# Altium PCB ysulyw.PcbDoc
Units mil, origin at the board's own origin, x right, y up, seen from the top; angles counter-clockwise.
Board outline 5500 x 3755 mil, 2 copper layers (Top Layer, Bottom Layer); 62 components, 62 nets, 630 pads, 0 vias.
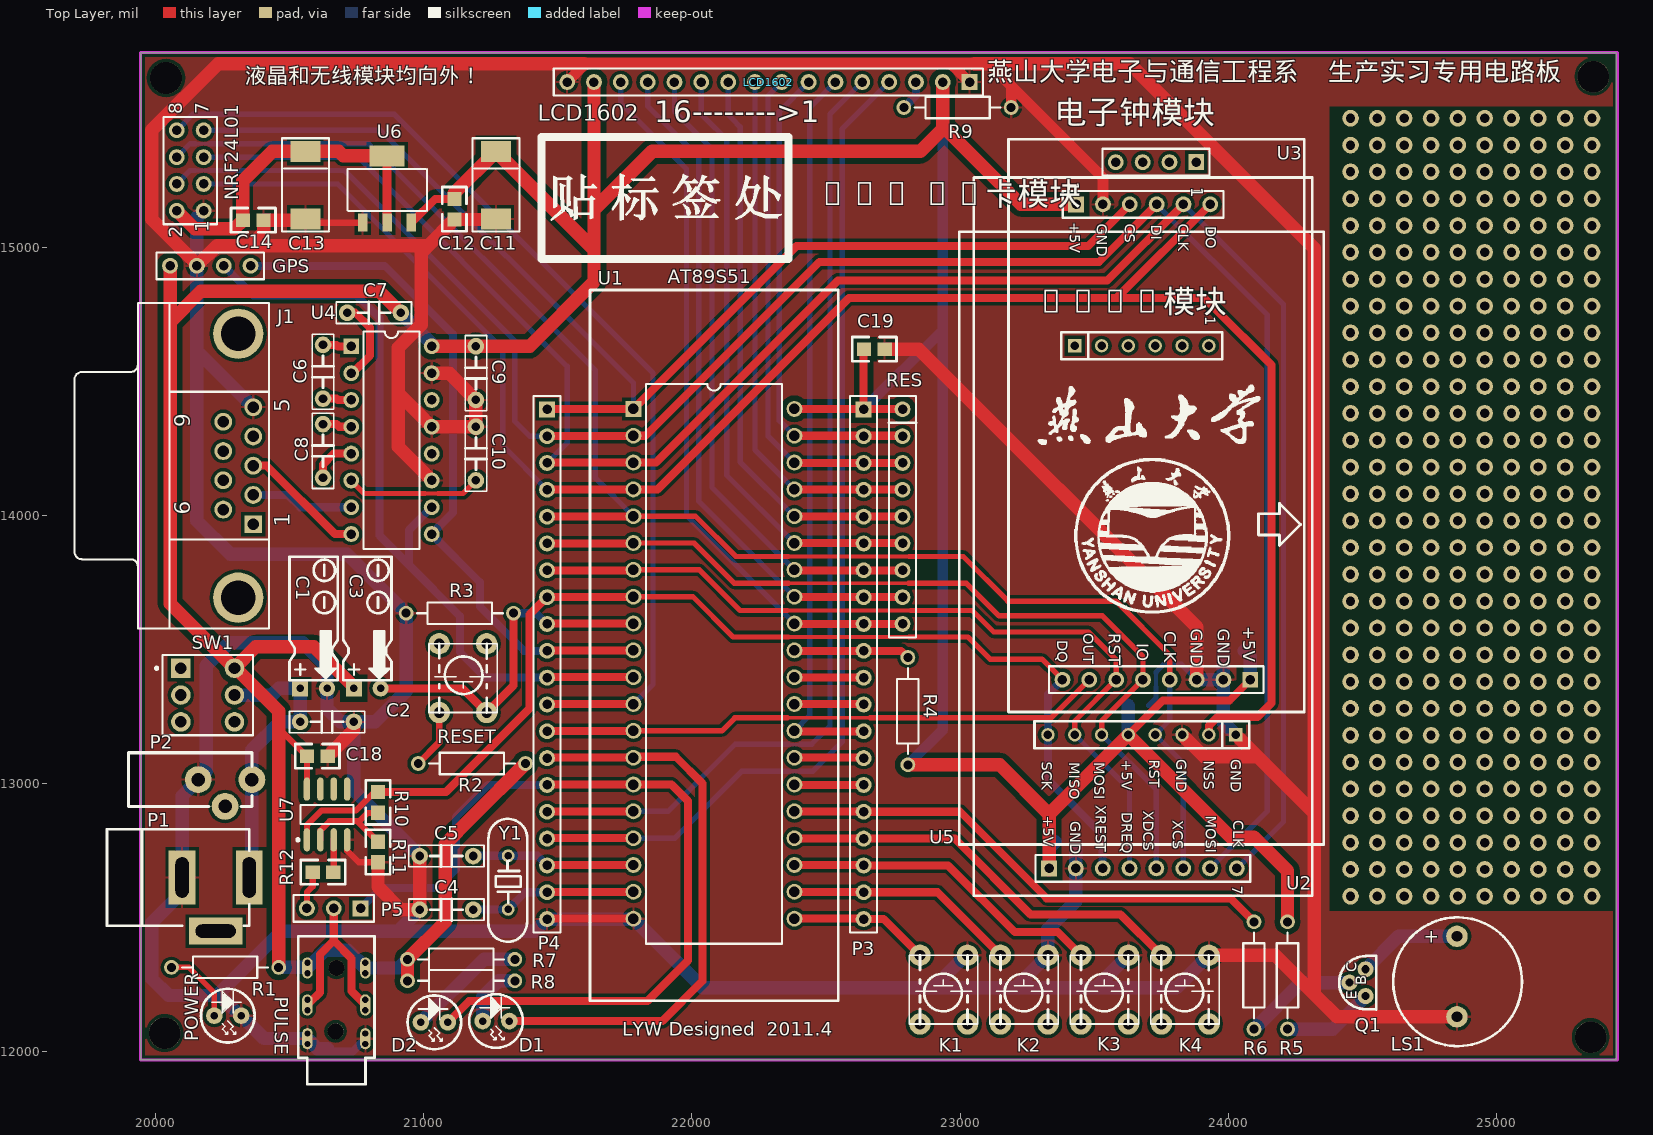
[diagram p0: Top Layer view]
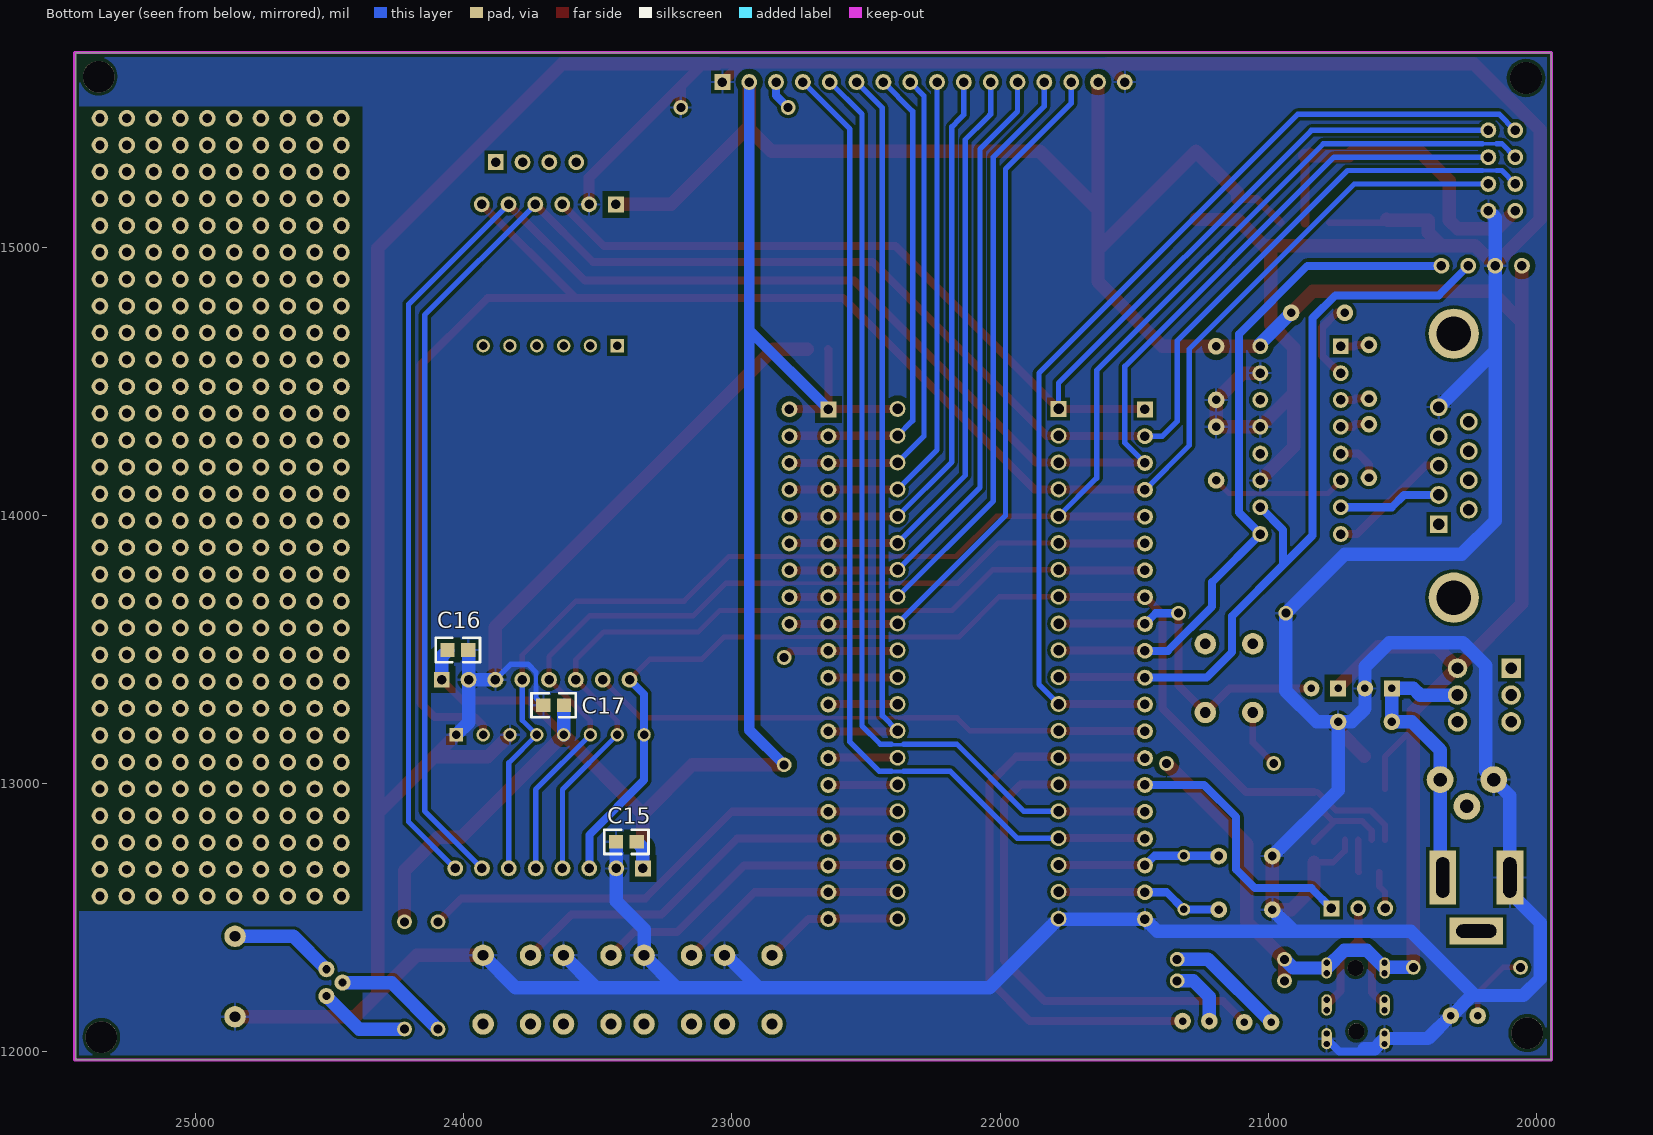
[diagram p1: Bottom Layer view, seen from below]

## Layer stack, top to bottom
Top Layer: signal copper 1.4
Dielectric: dielectric 12.6, FR-4, Dk 4.8
Bottom Layer: signal copper 1.4

## Board outline
19945,15725 19945,11970 25445,11970 25445,15725

## Design rules (kind name [scope] priority, off if disabled: settings)
Clearance Clearance_VCC_GND [InNet('GND') vs InNet('VCC')] p1: gap=20
Clearance [All] p2: gap=12
ComponentClearance [All] p1: gap=0 collisioncheckmode=3 verticalgap=0 showdistances=FALSE
HoleSize [All] p1: absolutevalues=TRUE maxlimit=10000 minlimit=0 maxpercent=80.000 minpercent=20.000
MinimumSolderMaskSliver [All] p1: minsoldermaskwidth=1
PolygonConnect [All] p1: connectstyle=Relief reliefconductorwidth=10 reliefentries=4 polygonreliefangle="90 Angle"
RoutingVias [All] p1: holewidth=15 width=25 viastyle="Through Hole" minholewidth=15 minwidth=25 maxholewidth=20 maxwidth=30
SilkToSilkClearance [All] p1: silktosilkclearance=0
SilkscreenOverComponentPads [All] p1: minsilkscreentomaskgap=0
SolderMaskExpansion [All] p1: expansion=4
TestPointUsage [All] p1: valid=0 allowmultiple=FALSE
Testpoint [All] p1: side=15 testpointundercomponent=TRUE minsize=40 maxsize=100 preferedsize=60 minholesize=0 maxholesize=40 preferedholesize=32 testpointgrid=1 style=1023 order=0-112345678
Width [All] p1: maxlimit=50 minlimit=14 preferedwidth=30
19 further rules are at their usual default settings.

## Components (designator, comment, footprint, x,y, rotation, side; value= is the part's Value field where it differs from the comment)
C1 "Cap Pol1" CAP3_HT 20600,13605 r270 top
C2 "" CAP1_HT 20640,13230 r0 top
C3 "Cap Pol1" CAP3_HT 20800,13605 r270 top
C4 "30P" CAP1_HT 21085,12530 r180 top
C5 "30P" CAP1_HT 21085,12730 r180 top
C6 "0.1u" CAP1_HT 20625,14535 r90 top
C7 "0.1u" CAP1_HT 20815,14755 r0 top
C8 "0.1u" CAP1_HT 20625,14240 r90 top
C9 "0.1u" CAP1_HT 21195,14530 r270 top
C10 "0.1u" CAP1_HT 21195,14230 r90 top
C11 "" CAP_CA_D 21269.71,15230.29 r0 top
C12 "0.1u" C0805 21114.71,15141.03 r270 top
C13 "" CAP_CA_D 20559.71,15230.29 r0 top
C14 "0.1u" C0805 20365,15100 r0 top
C15 "0.1u" C0805 23393,12783 r0 bottom
C16 "0.1u" C0805 24021,13498 r180 bottom
C17 "0.1u" C0805 23664,13292 r0 bottom
C18 "0.1u" C0805 20604,13102 r0 top
C19 "0.1u" C0805 22680,14619 r0 top
D1 "LED0" LED1_HT 21270,12115 r0 top
D2 "LED0" LED1_HT 21040,12110 r0 top
GPS "Header 4" HDR1X4 20355,14930 r180 top
J1 "D Connector 9" DSUB1.385-2H9 19935,14185 r90 top
K1 "" KEY1_HT 22935,12230 r0 top
K2 "" KEY1_HT 23235,12230 r0 top
K3 "" KEY1_HT 23535,12230 r0 top
K4 "" KEY1_HT 23835,12230 r0 top
LCD1602 "Header 16" HDR1X16 23035,15615 r180 top
LS1 "Speaker" BUZZER_HT 24850,12280 r270 top
NRF24L01 "Header 4X2" HDR2X4 20180,15135 r90 top
P1 "Header 2" DCJACK 20100,12650 r0 top
P2 "Header 2" Power_small 20165,13010 r90 top
P3 "Header 20" HDR1X20 22640,14395 r270 top
P4 "Header 20" HDR1X20 21460,14395 r270 top
P5 "Header 3" HDR1X3 20765,12535 r180 top
POWER "LED0" LED1_HT 20270,12135 r0 top
PULSE "Phonejack" 3.5mmphonejack 20675,12175 r90 top
Q1 "2N3906" Transistor 24520,12260 r90 top
R1 "Res2" AXIAL-0.4 20260,12315 r180 top
R2 "Res2" AXIAL-0.4 21180,13075 r180 top
R3 "Res2" AXIAL-0.4 21135,13635 r0 top
R4 "Res2" AXIAL-0.4 22805,13270 r270 top
R5 "Res2" AXIAL-0.4 24220,12285 r270 top
R6 "Res2" AXIAL-0.4 24095,12285 r90 top
R7 "Res2" AXIAL-0.4 21140,12265 r0 top
R8 "Res2" AXIAL-0.4 21140,12345 r0 top
R9 "Res2" AXIAL-0.4 22990,15520 r0 top
R10 "2K" C0805 20830,12930 r90 top
R11 "1K" C0805 20830,12745 r270 top
R12 "680Ω" C0805 20625,12670 r180 top
RES "10K*8" RES3_HT 22735,14445 r0 top
RESET "" KEY1_HT 21150,13395 r180 top
SW1 "SWITCH" DPDT-6 20195,13330 r0 top
U1 "AT89S51" KDIP40_HT 21620,14840 r0 top (schematic designator U2)
U2 "MP3\SD" MP3SD 23060,15260 r270 top
U3 "CLOCK" CLOCK 23180,15405 r270 top
U4 "MAX232CPE" DIP-16 20880,14280 r270 top
U5 "RFID" RFID 23000,15060 r270 top
U6 "AS1117-3.3" SOT-223 20863.71,15215.32 r0 top
U7 "LM358D" 751-02_N 20640,12885 r90 top (schematic designator U1)
Y1 "22.1184M" XTAL1_HT 21315,12635 r90 top
? "" place-han_zi_z 21466,15119 r0 top

## Footprints (in the part's own frame and the unit in brackets; to place one, negate y for a bottom-side part, rotate by r counter-clockwise, add the part's x,y. Pads: shape width x height; smd on the part's side, far side on the other; paste and mask are expansions set on the pad)
3.5mmphonejack [mm]
  oval 2x1 all layers, no hole: 1(-3.199,-2.743) 1(-3.199,2.743) 2(3.5,-2.75) 2(3.5,2.75) 3(0,2.75) 3(0.001,-2.743)
  round 0.8 hole 0.6: 1A(-3.699,-2.743) 1A(-3.699,2.743) 1B(-2.699,-2.743) 1B(-2.699,2.743) 2A(3.007,-2.743) 2A(3.007,2.743) 2B(4.007,-2.743) 2B(4.007,2.743) 3A(-0.499,2.743) 3A(-0.499,-2.743) 3B(0.501,2.743) 3B(0.501,-2.743)
  round 1.5 hole 1.5: ""(-2.5,0.076) ""(3.5,0)
  silkscreen extent -7.5,-3.61 6.5,3.6
751-02_N [mm] "SOIC, 8-Leads, Body 4.9x3.9mm, Pitch 1.27mm, IPC Medium Density"
  oval 2.2x0.6 smd: 1(-2.4,1.905) 2(-2.4,0.635) 3(-2.4,-0.635) 4(-2.4,-1.905) 5(2.4,-1.905) 6(2.4,-0.635) 7(2.4,0.635) 8(2.4,1.905)
  silkscreen extent -2.52,-2.5 0.9,2.88, body extent -1.95,-2.45 1.95,2.45, height 1.75
AXIAL-0.4 [mm] "Resistor; 2 Leads"
  round 1.4 hole 0.85: 1(-5.08,0) 2(5.08,0)
  silkscreen extent -4.06,-1.02 4.06,1.02
BUZZER_HT [mil]
  round 80 hole 40: 1(-150.63,1.69) 2(149.37,1.69)
  silkscreen extent -221,-236 259,244
C0805 [mm]
  rect 1.35x1.3 smd: 1(-0.975,0) 2(0.975,0)
  silkscreen extent -2.1,-1.15 2.1,1.15
CAP1_HT [mil]
  round 62 hole 32: 1(-100,0) 2(100,0)
  silkscreen extent -140,-40 140,40
CAP3_HT [mil]
  rect 60x60 hole 28: 1(250,-60)
  round 60 hole 28: 2(250,40)
  silkscreen extent -240,-100 220,80
CAP_CA_D [mm]
  rect 2.8x2 smd: 1(0,3.2) 2(0,-3.2)
  silkscreen extent -2.24,-4.39 2.24,4.44
CLOCK [mm]
  rect 1.5x1.5 hole 0.9: 1(2.251,17.78) 12(51.251,22.89)
  round 1.5 hole 0.9: 2(2.251,15.24) 3(2.251,12.7) 4(2.251,10.16) 5(51.251,5.11) 6(51.251,7.65) 7(51.251,10.19) 8(51.251,12.73) 9(51.251,15.27) 10(51.251,17.81) 11(51.251,20.35)
  silkscreen extent 0.08,0 54.31,28.02
DCJACK [mil]
  rect 100x200 hole 50 slot 150 at 90 deg: 1(0,0) 2(250,0)
  rect 200x100 hole 50 slot 150 at 0 deg: 3(125,-200)
  silkscreen extent -280,-180 250,180
DIP-16 [mm]
  rect 1.5x1.5 hole 0.9: 1(-8.89,-3.81)
  round 1.5 hole 0.9: 2(-6.35,-3.81) 3(-3.81,-3.81) 4(-1.27,-3.81) 5(1.27,-3.81) 6(3.81,-3.81) 7(6.35,-3.81) 8(8.89,-3.81) 9(8.89,3.81) 10(6.35,3.81) 11(3.81,3.81) 12(1.27,3.81) 13(-1.27,3.81) 14(-3.81,3.81) 15(-6.35,3.81) 16(-8.89,3.81)
  silkscreen extent -10.3,-2.65 10.3,2.65
DPDT-6 [mm] "Double-Pole, Double-Throw Switch; 6 Leads"
  rect 1.85x1.85 hole 1.1: 1(-2.54,2.54)
  round 1.85 hole 1.1: 2(-2.54,0) 3(-2.54,-2.54) 4(2.54,-2.54) 5(2.54,0) 6(2.54,2.54)
  silkscreen extent -4.96,-3.81 4.28,3.81
DSUB1.385-2H9 [mm] "Connector; D Subminiature; 9 Position; Right Angle; Pitch 1.385 mm"
  rect 1.69x1.69 hole 1.09: 1(-5.54,-10.92)
  round 1.69 hole 1.09: 2(-2.77,-10.92) 3(0,-10.92) 4(2.77,-10.92) 5(5.54,-10.92) 6(-4.155,-8.08) 7(-1.385,-8.08) 8(1.385,-8.08) 9(4.155,-8.08)
  round 4.76 hole 3.26: 10(-12.495,-9.5) 11(12.495,-9.5)
  silkscreen extent -15.4,-12.4 15.4,6
HDR1X3 [mm] "Connector; Header; 3 Position"
  rect 1.5x1.5 hole 0.9: 1(0,0)
  round 1.5 hole 0.9: 2(2.54,0) 3(5.08,0)
  silkscreen extent -1.27,-1.27 6.35,1.27
HDR1X4 [mm] "Connector; Header; 4 Position"
  round 1.5 hole 0.9: 1(0,0) 2(2.54,0) 3(5.08,0) 4(7.62,0)
  silkscreen extent -1.27,-1.27 8.89,1.27
HDR1X16 [mm] "Connector; Header; 16 Position"
  rect 1.5x1.5 hole 0.9: 1(0,0)
  round 1.5 hole 0.9: 2(2.54,0) 3(5.08,0) 4(7.62,0) 5(10.16,0) 6(12.7,0) 7(15.24,0) 8(17.78,0) 9(20.32,0) 10(22.86,0) 11(25.4,0) 12(27.94,0) 13(30.48,0) 14(33.02,0) 15(35.56,0) 16(38.1,0)
  silkscreen extent -1.27,-1.27 39.37,1.27
HDR1X20 [mm] "Connector; Header; 20 Position"
  rect 1.5x1.5 hole 0.9: 1(0,0)
  round 1.5 hole 0.9: 2(2.54,0) 3(5.08,0) 4(7.62,0) 5(10.16,0) 6(12.7,0) 7(15.24,0) 8(17.78,0) 9(20.32,0) 10(22.86,0) 11(25.4,0) 12(27.94,0) 13(30.48,0) 14(33.02,0) 15(35.56,0) 16(38.1,0) 17(40.64,0) 18(43.18,0) 19(45.72,0) 20(48.26,0)
  silkscreen extent -1.27,-1.27 49.53,1.27
HDR2X4 [mm] "Connector; Header; 4x2 Position"
  round 1.5 hole 0.9: 1(0,0) 2(0,2.54) 3(2.54,0) 4(2.54,2.54) 5(5.08,0) 6(5.08,2.54) 7(7.62,0) 8(7.62,2.54)
  silkscreen extent -1.27,-1.27 8.89,3.81
KDIP40_HT [mm]
  rect 1.5x1.5 hole 0.991: 1(4.121,-11.264)
  round 1.5 hole 0.991: 2(4.121,-13.804) 3(4.121,-16.344) 4(4.121,-18.884) 5(4.121,-21.424) 6(4.121,-23.964) 7(4.121,-26.504) 8(4.121,-29.044) 9(4.121,-31.584) 10(4.121,-34.124) 11(4.121,-36.664) 12(4.121,-39.204) 13(4.121,-41.744) 14(4.121,-44.284) 15(4.121,-46.824) 16(4.121,-49.364) 17(4.121,-51.904) 18(4.121,-54.444) 19(4.121,-56.984) 20(4.121,-59.524) 21(19.361,-59.524) 22(19.361,-56.984) 23(19.361,-54.444) 24(19.361,-51.904) 25(19.361,-49.364) 26(19.361,-46.824) 27(19.361,-44.284) 28(19.361,-41.744) 29(19.361,-39.204) 30(19.361,-36.664) 31(19.361,-34.124) 32(19.361,-31.584) 33(19.361,-29.044) 34(19.361,-26.504) 35(19.361,-23.964) 36(19.361,-21.424) 37(19.361,-18.884) 38(19.361,-16.344) 39(19.361,-13.804) 40(19.361,-11.264)
  silkscreen extent 0,-67.31 23.5,0
KEY1_HT [mil]
  round 80 hole 40: 1(-85,130) 2(92,130) 3(-85,-126) 4(92,-126)
  silkscreen extent -125,-126 130,130
LED1_HT [mil]
  round 62 hole 28: 1(-50,0) 2(50,0)
  silkscreen extent -100,-100 100,100
MP3SD [mm]
  rect 1.5x1.5 hole 0.9: 1(2.564,9.453) 14(65.429,6.889)
  round 1.5 hole 0.9: 2(2.564,11.993) 3(2.564,14.533) 4(2.564,17.073) 5(2.564,19.613) 6(2.564,22.153) 7(65.429,24.669) 8(65.429,22.129) 9(65.429,19.589) 10(65.429,17.049) 11(65.429,14.509) 12(65.429,11.969) 13(65.429,9.429)
  Top Layer lines w0.254: 65.429,11.969 64.929,11.969
  Top Layer lines w0.635: 65.111,9.373 65.167,9.429 65.429,9.429
  silkscreen extent 0.03,-0.23 68.02,31.8
place-han_zi_z [mil]
  silkscreen extent 10,-20 866,154
Power_small [mil]
  round 100 hole 50: 1(5,5) 2(5,-195) 3(-95,-95)
  silkscreen extent -95,-195 105,265
RES3_HT [mm]
  round 1.5 hole 0.9: 1(1.27,-1.269) 2(1.27,-3.809) 3(1.27,-6.349) 4(1.27,-8.889) 5(1.27,-11.429) 6(1.27,-13.969) 7(1.27,-16.509) 8(1.27,-19.049) 9(1.27,-21.589)
  silkscreen extent 0,-22.86 2.54,0
RFID [mil]
  round 50 hole 32: 1(428,927) 2(428,827) 3(428,727) 4(428,627) 5(428,527) 7(1878,327) 8(1878,427) 9(1878,527) 10(1878,627) 11(1878,727) 12(1878,827) 13(1878,927)
  rect 50x50 hole 32: 6(428,427) 14(1878,1027)
  silkscreen extent 3,-3 2287,1355
SOT-223 [mm]
  rect 0.9x1.7 smd: 1(-2.311,-3.162) 2(0,-3.162) 3(2.311,-3.162)
  rect 3.28x2 smd: 4(0,3.162)
  silkscreen extent -3.76,-2.07 3.78,1.92
Transistor [mil]
  round 60 hole 30: 1(-52,8.95) 2(-2,68.95) 3(48,8.95)
  silkscreen extent -102,-31 98,107
XTAL1_HT [mm]
  round 1.2 hole 0.7: 1(2.438,0) 2(-2.642,0)
  silkscreen extent -5.7,-1.8 5.93,1.88

## Part data
C1 C3: "Polarized Capacitor (Radial)"
C2 C4 C5 C6 C7 C8 C9 C10 C12 C14 C15 C16 C17 C18 C19: library part Cap, "Capacitor"
C11 C13: library part "Cap Pol1", "Polarized Capacitor (Radial)"
D1 D2 POWER: "Typical INFRARED GaAs LED"
GPS: "Header, 4-Pin"
J1: "Receptacle Assembly, 9 Position, Right Angle"
K1 K2 K3 K4 RESET: library part SW-PB, "Switch"
LCD1602: "Header, 16-Pin"
LS1: "Loudspeaker"
NRF24L01: "Header, 4-Pin, Dual row"
P1 P2: "Header, 2-Pin"
P3 P4: "Header, 20-Pin"
P5: "Header, 3-Pin"
Q1: "PNP General Purpose Amplifier"
R1 R2 R3 R4 R5 R6 R7 R8 R9: "Resistor"
R10 R11 R12: library part Res1, "Resistor"
RES: library part RESPACK
SW1: library part SW-DPDT
U1: library part 8031
U2: library part MP3SD
U4: "+5V Powered RS-232 Driver/Receiver"
U7: library part AD620
Y1: library part XTAL, "Crystal Oscillator"

## Free pads (board coordinates)
  round 118.11 hole 118.11: 0(20040,15630) 1(20035,12070) 2(25350,12055) 3(25360,15635)
  round 62 hole 35: 1(24455,14480) 1(24455,15480) 1(24555,14480) 1(24555,15480) 1(24655,14480) 1(24655,15480) 1(24755,14480) 1(24755,15480) 1(24855,14480) 1(24855,15480) 1(24955,14480) 1(24955,15480) 1(25055,14480) 1(25055,15480) 1(25155,14480) 1(25155,15480) 1(25255,14480) 1(25255,15480) 1(25355,14480) 1(25355,15480) 2(24455,14380) 2(24455,15380) 2(24555,14380) 2(24555,15380) 2(24655,14380) 2(24655,15380) 2(24755,14380) 2(24755,15380) 2(24855,14380) 2(24855,15380) 2(24955,14380) 2(24955,15380) 2(25055,14380) 2(25055,15380) 2(25155,14380) 2(25155,15380) 2(25255,14380) 2(25255,15380) 2(25355,14380) 2(25355,15380) 3(24455,14280) 3(24455,15280) 3(24555,14280) 3(24555,15280) 3(24655,14280) 3(24655,15280) 3(24755,14280) 3(24755,15280) 3(24855,14280) 3(24855,15280) 3(24955,14280) 3(24955,15280) 3(25055,14280) 3(25055,15280) 3(25155,14280) 3(25155,15280) 3(25255,14280) 3(25255,15280) 3(25355,14280) 3(25355,15280) 4(24455,14180) 4(24455,15180) 4(24555,14180) 4(24555,15180) 4(24655,14180) 4(24655,15180) 4(24755,14180) 4(24755,15180) 4(24855,14180) 4(24855,15180) 4(24955,14180) 4(24955,15180) 4(25055,14180) 4(25055,15180) 4(25155,14180) 4(25155,15180) 4(25255,14180) 4(25255,15180) 4(25355,14180) 4(25355,15180) 5(24455,14080) 5(24455,15080) 5(24555,14080) 5(24555,15080) 5(24655,14080) 5(24655,15080) 5(24755,14080) 5(24755,15080) 5(24855,14080) 5(24855,15080) 5(24955,14080) 5(24955,15080) 5(25055,14080) 5(25055,15080) 5(25155,14080) 5(25155,15080) 5(25255,14080) 5(25255,15080) 5(25355,14080) 5(25355,15080) 6(24455,13980) 6(24455,14980) 6(24555,13980) 6(24555,14980) 6(24655,13980) 6(24655,14980) 6(24755,13980) 6(24755,14980) 6(24855,13980) 6(24855,14980) 6(24955,13980) 6(24955,14980) 6(25055,13980) 6(25055,14980) 6(25155,13980) 6(25155,14980) 6(25255,13980) 6(25255,14980) 6(25355,13980) 6(25355,14980) 7(24455,13880) 7(24455,14880) 7(24555,13880) 7(24555,14880) 7(24655,13880) 7(24655,14880) 7(24755,13880) 7(24755,14880) 7(24855,13880) 7(24855,14880) 7(24955,13880) 7(24955,14880) 7(25055,13880) 7(25055,14880) 7(25155,13880) 7(25155,14880) 7(25255,13880) 7(25255,14880) 7(25355,13880) 7(25355,14880) 8(24455,13780) 8(24455,14780) 8(24555,13780) 8(24555,14780) 8(24655,13780) 8(24655,14780) 8(24755,13780) 8(24755,14780) 8(24855,13780) 8(24855,14780) 8(24955,13780) 8(24955,14780) 8(25055,13780) 8(25055,14780) 8(25155,13780) 8(25155,14780) 8(25255,13780) 8(25255,14780) 8(25355,13780) 8(25355,14780) 9(24455,13680) 9(24455,14680) 9(24555,13680) 9(24555,14680) 9(24655,13680) 9(24655,14680) 9(24755,13680) 9(24755,14680) 9(24855,13680) 9(24855,14680) 9(24955,13680) 9(24955,14680) 9(25055,13680) 9(25055,14680) 9(25155,13680) 9(25155,14680) 9(25255,13680) 9(25255,14680) 9(25355,13680) 9(25355,14680) 10(24455,13580) 10(24455,14580) 10(24555,13580) 10(24555,14580) 10(24655,13580) 10(24655,14580) 10(24755,13580) 10(24755,14580) 10(24855,13580) 10(24855,14580) 10(24955,13580) 10(24955,14580) 10(25055,13580) 10(25055,14580) 10(25155,13580) 10(25155,14580) 10(25255,13580) 10(25255,14580) 10(25355,13580) 10(25355,14580) 11(24455,13480) 11(24555,13480) 11(24655,13480) 11(24755,13480) 11(24855,13480) 11(24955,13480) 11(25055,13480) 11(25155,13480) 11(25255,13480) 11(25355,13480) 12(24455,13380) 12(24555,13380) 12(24655,13380) 12(24755,13380) 12(24855,13380) 12(24955,13380) 12(25055,13380) 12(25155,13380) 12(25255,13380) 12(25355,13380) 13(24455,13280) 13(24555,13280) 13(24655,13280) 13(24755,13280) 13(24855,13280) 13(24955,13280) 13(25055,13280) 13(25155,13280) 13(25255,13280) 13(25355,13280) 14(24455,13180) 14(24555,13180) 14(24655,13180) 14(24755,13180) 14(24855,13180) 14(24955,13180) 14(25055,13180) 14(25155,13180) 14(25255,13180) 14(25355,13180) 15(24455,13080) 15(24555,13080) 15(24655,13080) 15(24755,13080) 15(24855,13080) 15(24955,13080) 15(25055,13080) 15(25155,13080) 15(25255,13080) 15(25355,13080) 16(24455,12980) 16(24555,12980) 16(24655,12980) 16(24755,12980) 16(24855,12980) 16(24955,12980) 16(25055,12980) 16(25155,12980) 16(25255,12980) 16(25355,12980) 17(24455,12880) 17(24555,12880) 17(24655,12880) 17(24755,12880) 17(24855,12880) 17(24955,12880) 17(25055,12880) 17(25155,12880) 17(25255,12880) 17(25355,12880) 18(24455,12780) 18(24555,12780) 18(24655,12780) 18(24755,12780) 18(24855,12780) 18(24955,12780) 18(25055,12780) 18(25155,12780) 18(25255,12780) 18(25355,12780) 19(24455,12680) 19(24555,12680) 19(24655,12680) 19(24755,12680) 19(24855,12680) 19(24955,12680) 19(25055,12680) 19(25155,12680) 19(25255,12680) 19(25355,12680) 20(24455,12580) 20(24555,12580) 20(24655,12580) 20(24755,12580) 20(24855,12580) 20(24955,12580) 20(25055,12580) 20(25155,12580) 20(25255,12580) 20(25355,12580)

## Nets (pads, with @x,y where several pads share a name; then routed paths per layer and width w, separated by ;. In a path a pad name is that pad's centre, name@x,y a point inside that pad or via, vN(x,y) a via of type N, cw(c..) or ccw(c..) an arc to the next point about the centre after c; other vN are vias at no path point)
ALE: P3.11 U1.30 | length 258.4
  Top Layer w30: U1.30 22383.78,13395 P3.11
EA: P3.10 R4.1 U1.31 | length 433.7
  Top Layer w30: U1.31 22383.78,13495 P3.10 22780,13495 R4.1
GND: C1.2 C2.2 C4.2 C5.2 C9.2 C10.2 C11.2 C12.2 C13.2 C14.2 C15.2 C16.2 C17.2 C18.2 C19.2 GPS.3 J1.5 K1.2 K2.2 K3.2 K4.2 LCD1602.1 LCD1602.16 LS1.2 NRF24L01.1 P1.1 P2.1 P4.20 POWER.2 PULSE.1 PULSE.1A PULSE.1B R3.1 R9.2 R11.2 U1.20 U2.2 U2.13 U3.10 U3.11 U4.11 U4.13 U4.15 U5.12 U5.14 U6.1 U7.4 | length 29584.2
  Top Layer w23: U7.4 20715,12750 20758.39,12706.61 R11.2
  Top Layer w25: C13.2@20558.05,15102.65 C13.2 20573.2,15090.82 U6.1 ; 22958.22,15679.5 LCD1602.1@23022.72,15615 ; U2.13 U2.13@23431.21,12694.37
  Top Layer w30: P4.20 21461.54,12496.54 U1.20
  Top Layer w40: LCD1602.16 21604.53,15684.53 22189.53,15684.53 ; 22190,15685 22963.33,15685 ; LCD1602.1 23033.33,15615 22963.33,15685 ; 23055,15685 22963.33,15685 ; 23107,15683 23190,15600 ; R9.2@23195,15525 R9.2 23190,15600 ; U2.2 23532.15,15257.85 23190,15600
  Top Layer w50: GPS.3 20230,15005 20355,15005 ; GPS.3@20155,14935.4 19987,15103.4 19987,15436.08 20233.92,15683 21597.6,15683 ; C13.2 20555.4,15100 C14.2 20403.39,15053.39 20355,15005 ; C18.2 20740,13199.61 C2.2 ; R11.2 20830,12615 20915,12530 C4.2 C5.2 ; U4.15@21024.6,14530 U4.15 21095,14530 C9.2 C10.2 ; U4.11 20905,14255 20905,14455 ; C11.2 21268.05,15102.65 C12.2 21017.06,15005 ; C19.2 22846,14619 23881.18,13583.82 U3.10 ; 23055,15683 23107,15683 23632,15683 24320,14995 24320,12889 ; U5.12 23909.5,13099.5 24109.5,13099.5 ; K4.2 24175,12360 24320,12215 ; U5.14 24109.5,13099.5 ; LS1.2 24404.37,12130.63 24320,12215 ; 20355,15005 21017.06,15005 ; 20905,14455 U4.13 C10.2@21190,14330 ; 20905,14455 20905,14625 20991,14711 20991,14978.94 21017.06,15005 ; C10.2@21190,14330 C10.2 ; C10.2@21190,14330 21195,14325 C10.2 ; 24109.5,13099.5 24320,12889 ; 24320,12215 24320,12889
  Bottom Layer w14: 23730,13360 23730,13410.11
  Bottom Layer w20: C17.2 23730,13319.61 23730,13360 ; 23730,13411.29 23730,13415 23760,13445 23823.42,13445 U3.10
  Bottom Layer w25: U2.2 U2.2@23532.15,15164.08
  Bottom Layer w30: 20256.08,12196.08 20317.16,12135 POWER.2 ; PULSE.1@20567,12049.06 PULSE.1@20576.84,12039.21 ; 20642.49,12002 20735.94,12002 20754.47,12020.53 PULSE.1@20783,12049.06 ; U5.12@23827,13173 U5.12 ; U5.14@24017,13182 U5.14 U5.14@24027,13190
  Bottom Layer w50: NRF24L01.1 20155,15110 20155,14935.4 GPS.3 20155,14900.4 20155,14895 20155,14613.03 ; POWER.2@20317.16,12135 20242.16,12210 ; POWER.2 20405,12050 PULSE.1@20566.06,12050 ; J1.5 20155,14613.03 ; PULSE.1@20576.84,12039.21 20604.06,12012 20642.49,12012 ; C4.2 20904.32,12449.32 ; C5.2 20740,12975 C2.2 ; U4.11@21030,14128.83 U4.11 ; K1.2 23020.61,12360 22900,12239.39 ; C15.2@23431.21,12777.18 U2.13 23431.21,12561.21 23327,12457 K2.2 23206.39,12239.39 ; K3.2 23506.39,12239.39 ; U3.10@23881.18,13388.82 U3.10 U3.11 ; K4.2 23806.39,12239.39 23506.39,12239.39 ; C16.2 23981.18,13496.57 U3.11 ; U5.14 23981.18,13227.82 U3.11 ; 20155,14613.03 20155,13980 20280,13855 20715,13855 R3.1 20935,13345 20820,13230 C2.2 ; 20242.16,12210 20242.16,12222.16 20469.32,12449.32 20865,12449.32 20904.32,12449.32 ; 20242.16,12210 20050,12210 19987,12273 19987,12482 20100,12595 P1.1 20100,12955 P2.1 20190,13045 20190,13440.14 20274.86,13525 20550,13525 20640,13435 C1.2 20640,13280 20690,13230 C2.2 ; 20904.32,12449.32 21414.32,12449.32 P4.20 21780.71,12495 U1.20 22039.39,12239.39 22900,12239.39 ; 22900,12239.39 23206.39,12239.39 ; 23206.39,12239.39 23506.39,12239.39
NetC6_1: C6.1 U4.3 | length 121.2
  Top Layer w30: C6.1@20630,14430 C6.1 20675,14435 20680,14430 U4.3 U4.3@20725,14435
NetC6_2: C6.2 U4.1 | length 114.1
  Top Layer w30: C6.2 20675,14635 20680,14630 U4.1 U4.1@20725,14635
NetC7_1: C7.1 U4.2 | length 279.7
  Top Layer w30: U4.2 20735,14530 20800,14595 20800,14700 C7.1@20745,14755
NetC8_1: C8.1 U4.5 | length 185.7
  Top Layer w30: C8.1@20635,14150 C8.1 20625,14190 20665,14230 20715,14230 U4.5
NetC8_2: C8.2 U4.4 | length 123.3
  Top Layer w30: C8.2@20635,14330 C8.2 20675,14340 20685,14330 U4.4
NetC10_1: C10.1 U4.6 | length 505.2
  Top Layer w14: 21005,14081.47 21055,14081.47
  Top Layer w20: U4.6 20778.53,14081.47 21005,14081.47 ; 21055,14081.47 21146.47,14081.47 C10.1
NetD1_1: D1.1 R7.2 | length 234.9
  Bottom Layer w50: D1.1 21220,12205 21280,12265 R7.2
NetD2_1: D2.1 R8.2 | length 447.3
  Bottom Layer w50: D2.1 21225,12345 R8.2
NetJ1_2: J1.2 U4.7 | length 384.1
  Bottom Layer w30: J1.2 20494.06,14075.94 20540,14030 U4.7
NetJ1_3: J1.3 U4.8 | length 470.7
  Top Layer w30: J1.3 20415,14185 20670,13930 U4.8
NetLCD1602_3: LCD1602.3 R9.1 | length 113.6
  Bottom Layer w30: R9.1 22835,15565 LCD1602.3
NetLS1_1: LS1.1 Q1.3 | length 391.4
  Bottom Layer w50: Q1.3 24633.68,12430.63 LS1.1
NetPOWER_1: POWER.1 R1.2 | length 304.4
  Top Layer w20: R1.2 20125,12315 20220,12220 POWER.1
  Bottom Layer w20: POWER.1 POWER.1@20220,12155
NetQ1_1: Q1.1 R5.2 | length 342
  Bottom Layer w50: R5.2 24388.05,12085 Q1.1
NetQ1_2: Q1.2 R6.1 | length 556.8
  Bottom Layer w50: R6.1 24268,12258 Q1.2 24322,12258
NetR2_2: R2.2 RESET.2 | length 222.3
  Top Layer w25: R2.2 21058,13153 RESET.2
NetR10_1: R10.1 R11.1 U7.2 | length 385.4
  Top Layer w23: U7.2 20615,12825 20650,12860 20753.39,12860 ; R11.1 20753.39,12860 ; R10.1 20828.39,12890 20790,12890 20760,12860 20753.39,12860
NetR12_1: R12.1 U7.3 | length 121.2
  Top Layer w23: R12.1 20665,12671.61 U7.3
P0.0: LCD1602.7 P3.2 RES.2 U1.39 | length 1790.5
  Top Layer w30: U1.39 22783.5,14296.54 RES.2
  Bottom Layer w20: U1.39 22325.72,14353.06 22325.72,15505.72 LCD1602.7
P0.1: LCD1602.8 P3.3 RES.3 U1.38 | length 1883.9
  Top Layer w30: U1.38 22383.74,14195.04 RES.3
  Bottom Layer w20: LCD1602.8 22283.72,15563.72 22283.72,14295.06 U1.38
P0.2: LCD1602.9 P3.4 RES.4 U1.37 | length 2033.4
  Top Layer w30: U1.37 22783.5,14096.54 RES.4
  Bottom Layer w20: 22240,14238.78 22270.73,14208.06 ; LCD1602.9@22240,15610 LCD1602.9 22235,14243.78 22270.73,14208.06 ; U1.37 22270.73,14208.06
P0.3: LCD1602.10 P3.5 RES.5 U1.36 | length 2140.5
  Top Layer w30: U1.36 22383.74,13995.04 RES.5
  Bottom Layer w20: LCD1602.10 22135,15493 22151.5,15476.5 ; 22140,15488 22151.5,15476.5 ; U1.36 22180,14198.78 22180,15448 22151.5,15476.5
P0.4: LCD1602.11 P3.6 RES.6 U1.35 | length 2279.1
  Top Layer w30: U1.35 22783.5,13896.54 RES.6
  Bottom Layer w20: LCD1602.11 22035,15495 22049.5,15480.5 ; 22040,15490 22049.5,15480.5 ; U1.35 22130,14148.78 22130,15400 22049.5,15480.5
P0.5: LCD1602.12 P3.7 RES.7 U1.34 | length 2424.5
  Top Layer w30: U1.34 22383.74,13795.04 RES.7
  Bottom Layer w20: LCD1602.12 21935,15505 21952.33,15487.67 ; 21940,15500 21952.33,15487.67 ; U1.34 22075,14103.78 22075,15365 21952.33,15487.67
P0.6: LCD1602.13 P3.8 RES.8 U1.33 | length 2548.5
  Top Layer w30: U1.33 22383.74,13695.04 RES.8
  Bottom Layer w20: LCD1602.13 21835,15525 22025,15335 22025,14053.78 U1.33
P0.7: LCD1602.14 P3.9 RES.9 U1.32 | length 2697
  Top Layer w30: U1.32 22383.74,13595.04 RES.9
  Bottom Layer w20: LCD1602.14@21740,15610 LCD1602.14 21735,15535 21980,15290 21980,13998.78 U1.32
P1.0: NRF24L01.7 P4.1 U1.1 U2.3 | length 4577.4
  Top Layer w30: P4.1 21461.54,14396.54 U1.1 22390,15004.29 23477.38,15004.29 U2.3
  Bottom Layer w20: NRF24L01.7 20840,15435 21782.25,14492.75 U1.1
P1.1: NRF24L01.4 P4.2 U1.2 U2.4 U2.8 | length 7361.1
  Top Layer w30: P4.2 U1.2@21780.71,14295 ; U1.2 21826.54,14296.54 22475,14945 23518.09,14945 U2.4
  Bottom Layer w14: 20150,15285 20202.87,15285 20215,15285
  Bottom Layer w20: NRF24L01.4 20130,15285 20150,15285 ; 20202.87,15285 20705,15285 21340,14650 21340,14350 21395,14295 P4.2 ; U2.4 24145,14746.21 24145,12897.85 U2.8
P1.2: NRF24L01.5 P4.3 U1.3 U2.5 U2.7 | length 7542.1
  Top Layer w30: P4.3 21461.54,14196.54 U1.3 21866.54,14196.54 22545,14875 23548.09,14875 U2.5
  Bottom Layer w20: NRF24L01.5 20755,15335 21535,14555 21535,14270 P4.3 ; U2.5 24205,14786.21 24205,12857.85 U2.7
P1.3: NRF24L01.3 P4.4 U1.4 U2.6 U5.13 | length 7136.3
  Top Layer w30: P4.4 21461.54,14096.54 U1.4 21871.54,14096.54 22585,14810 23583.09,14810 ; U5.13 23927,13217 23958.53,13248.53 24108.53,13248.53 24160,13300 24160,14560 23944.52,14775.48 ; 23932.15,14787.85 23944.52,14775.48 ; U2.6 23583.09,14810 ; 23583.09,14810 23910,14810 23944.52,14775.48
  Bottom Layer w20: NRF24L01.3 20680,15235 21295,14620 21295,14260 P4.4
P1.4: NRF24L01.6 P4.5 U1.5 U2.9 U3.9 U5.11 | length 5929.8
  Top Layer w14: 22359.31,13846.47 22810,13846.47
  Top Layer w20: U1.5 22013.62,13996.54 22163.68,13846.47 22359.31,13846.47 22359.38,13846.54 ; 22810,13846.47 23011.47,13846.47 23177.94,13680 23580,13680 23781.18,13478.82 U3.9
  Top Layer w30: P4.5 21780.71,13995 U1.5
  Bottom Layer w14: 20150,15385 20202.87,15385
  Bottom Layer w20: NRF24L01.6 20130,15385 20150,15385 ; 20202.87,15385 20795,15385 21640,14540 21640,14138.78 U1.5 ; U3.9 23781.18,13236.18 U5.11 23831.21,13077.79 U2.9
P1.5: P4.6 U1.6 U2.10 U3.8 U5.9 | length 3335.1
  Top Layer w14: 22359.38,13746.47 22807.87,13746.47
  Top Layer w20: U1.6 22008.46,13896.54 22158.53,13746.47 22210,13746.47 22210.06,13746.54 22359.38,13746.54 ; 22807.87,13746.47 23023.53,13746.47 23145,13625 23530,13625 23681.18,13473.82 U3.8 23527,13233.06 U5.9
  Top Layer w30: P4.6 21780.71,13895 U1.6
  Bottom Layer w20: U5.9 23731.21,12977.79 U2.10
P1.6: P4.7 U1.7 U2.11 U3.7 U5.8 | length 3186.9
  Top Layer w14: 22355,13645.06 22815,13645.06
  Top Layer w20: U1.7 22028.46,13796.54 22180,13645 22354.94,13645 ; 22815,13645.06 23044.94,13645.06 23125,13565 23478.42,13565 23581.18,13462.24 U3.7 23427,13233.06 U5.8
  Top Layer w30: P4.7 21780.71,13795 U1.7
  Bottom Layer w20: U5.8 23631.21,12977.79 U2.11
P1.7: P4.8 R10.2 U1.8 U2.12 U3.5 U5.7 U7.1 | length 4366.8
  Top Layer w14: 22359.31,13546.47 22810,13546.47
  Top Layer w20: U1.8 22003.46,13696.54 22153.53,13546.47 22359.31,13546.47 22359.38,13546.54 ; 22810,13546.47 23028.53,13546.47 23111.03,13463.97 23304.45,13463.97 U3.5
  Top Layer w23: U7.1 20565,12845 20620,12900 20748.04,12900 20816.42,12968.39 R10.2
  Top Layer w30: R10.2 21083.39,12968.39 21395,13280 21395,13630 P4.8 21780.71,13695 U1.8
  Bottom Layer w30: U3.5 23327,13333.06 U5.7 23327,13013 23531.21,12808.79 U2.12
P2.0: K1.1 P3.20 U1.21 | length 524.3
  Top Layer w30: U1.21 22638.46,12496.54 P3.20 22715,12495 K1.1
P2.1: K2.1 P3.19 U1.22 | length 865.7
  Top Layer w30: U1.22 22638.46,12596.54 P3.19 22915,12595 K2.1
P2.2: K3.1 P3.18 U1.23 | length 1207.1
  Top Layer w30: U1.23 22638.46,12696.54 P3.18 22955,12695 23203.66,12446.34 23363.66,12446.34 K3.1
P2.3: K4.1 P3.17 U1.24 | length 1548.6
  Top Layer w30: U1.24 22383.78,12795 P3.17 22980,12795 23262.5,12512.5 23597.5,12512.5 K4.1
P2.4: P3.16 R6.2 U1.25 | length 1883.2
  Top Layer w30: U1.25 22638.46,12896.54 P3.16 23000,12895 23322.5,12572.5 24007.5,12572.5 R6.2
P2.5: P3.15 U1.26 | length 258.4
  Top Layer w30: U1.26 22383.78,12995 P3.15
P2.6: P3.14 U1.27 | length 258.4
  Top Layer w30: U1.27 22638.46,13096.54 P3.14
P2.7: LCD1602.6 P3.13 U1.28 | length 2740.1
  Top Layer w30: U1.28 22383.78,13195 P3.13
  Bottom Layer w20: U1.28 22438.77,13253.06 22438.77,15518.77 LCD1602.6
P3.0: GPS.1 P4.10 U1.10 U4.9 | length 2624.5
  Top Layer w30: P4.10 21461.54,13496.54 U1.10
  Bottom Layer w30: GPS.1 20640,14930 20855,14930 21110,14675 21110,14010 U4.9 21209.37,13750.63 21209.37,13660.63 21375,13495 P4.10
P3.1: GPS.2 P4.11 U1.11 U4.10 | length 2977.5
  Top Layer w30: P4.11 21461.54,13396.54 U1.11
  Bottom Layer w30: GPS.2 20365,14820 20750,14820 20835,14735 20835,13925 20945,13815 ; U4.10@21020,14030 U4.10 20945,13945 20945,13815 ; P4.11 21230,13395 21135,13490 21135,13625 20945,13815
P3.2: NRF24L01.8 P4.12 U1.12 | length 3786.1
  Top Layer w30: P4.12 21461.54,13296.54 U1.12
  Bottom Layer w20: NRF24L01.8 20140,15495 20890,15495 21855,14530 21855,13369.29 U1.12
P3.3: P4.13 U1.13 U3.6 | length 2100.8
  Top Layer w14: 22355,13245.06 22665,13245.06
  Top Layer w20: U1.13 22111.54,13196.54 22160.06,13245.06 22355,13245.06 ; 22665,13245.06 23311.88,13245.06 23339.01,13245.06 U3.6
  Top Layer w30: P4.13 21461.54,13196.54 U1.13
P3.4: D1.2 P4.14 U1.14 | length 2140.6
  Top Layer w30: D1.2 21890,12115 22040,12265 22040,13000 21940,13100 21785.71,13100 U1.14 21461.54,13096.54 P4.14
P3.5: D2.2 P4.15 P5.1 U1.15 | length 3145.4
  Top Layer w30: D2.2 21170,12190 21835,12190 21985,12340 21985,12935 21923.46,12996.54 U1.15 ; P4.15 21461.54,12996.54 U1.15 ; U1.15@21788.78,12990 U1.15
  Bottom Layer w30: P5.1 20840,12610 21050,12610 21120,12680 21120,12875 21240,12995 P4.15
P3.6: LCD1602.5 P4.16 U1.16 | length 3631.5
  Top Layer w30: P4.16 21461.54,12896.54 U1.16
  Bottom Layer w14: 22359.38,13145.06 22399.4,13145.06
  Bottom Layer w20: U1.16 21911.47,12896.54 22161.47,13146.54 22359.38,13146.54 ; 22405.12,13146.54 22446.54,13146.54 22515,13215 22515,15495 LCD1602.5
P3.7: LCD1602.4 P4.17 U1.17 | length 3775.9
  Top Layer w30: P4.17 21461.54,12796.54 U1.17
  Bottom Layer w14: 22359.38,13045.06 22399.4,13045.06
  Bottom Layer w20: U1.17 21936.47,12796.54 22186.47,13046.54 22359.38,13046.54 ; 22405.12,13046.54 22451.54,13046.54 22560,13155 22560,15440 LCD1602.4
PSEN: P3.12 U1.29 | length 258.4
  Top Layer w30: U1.29 22638.46,13296.54 P3.12
PULSE: P5.2 PULSE.3 PULSE.3A PULSE.3B | length 675.5
  Top Layer w30: PULSE.3@20566.73,12175 PULSE.3@20566.79,12175.06 ; PULSE.3B@20576.74,12185 20613.42,12221.68 20613.42,12363.42 20665,12415 ; P5.2 20665,12415 ; PULSE.3@20783,12175.06 20731.53,12226.53 20731.53,12348.47 20665,12415
PULSE_IN: P5.3 R12.2 | length 144
  Top Layer w23: P5.3 20565,12595 20586.61,12616.61 R12.2
RESET: C3.2 P4.9 R3.2 RESET.1 U1.9 | length 1308.2
  Top Layer w30: C3.2 21145,13355 RESET.1 21335,13365 R3.2 ; P4.9 21461.54,13596.54 U1.9
  Bottom Layer w30: R3.2 21420,13635 P4.9
VCC: C3.1 C7.2 C9.1 C11.1 C12.1 C15.1 C16.1 C17.1 C18.1 C19.1 GPS.4 LCD1602.2 LCD1602.15 P3.1 PULSE.2 PULSE.2A PULSE.2B R1.1 R2.1 R4.2 R5.1 R7.1 R8.1 RES.1 SW1.6 U1.40 U2.1 U2.14 U3.12 U4.16 U5.10 U6.3 U7.8 | length 17636.6
  Top Layer w23: 20460,13215 20460,13206.39 20565,13101.39 U7.8
  Top Layer w30: U6.3 21043.31,15179.42 C12.1 ; U1.40 P3.1@22640,14396.54 ; P3.1 P3.1@22640,14396.54 ; C19.1 22640,14617.39 P3.1@22640,14396.54 ; RES.1@22783.5,14396.54 P3.1@22640,14396.54 ; R4.2 R4.2@22815,13060 ; U5.10 23755.53,13310.53 24004.47,13310.53 U3.12
  Top Layer w50: GPS.4 20055,14720 ; R1.1 20460,12975 20460,13206.39 ; 20460,13215 20460,13270 20300,13430 SW1.6 ; C3.1 20740,13361.07 20591.07,13510 20375,13510 SW1.6 ; C7.2 20835,14835 20170,14835 20055,14720 ; R7.1 R8.1 21080,12485 21080,12775 21180,12875 R2.1 ; U4.16 21120,14630 21125,14630 21395,14630 21635,14870 21635,14990.98 ; C12.1 21114.71,15201.28 C11.1 21635,14990.98 ; LCD1602.15 21635,15140 ; RES.1@22783.5,14396.54 RES.1 ; R4.2 23147.41,13070 23331.21,12886.21 ; LCD1602.2 22935,15450 ; U2.14@23331.21,12678.66 U2.14 23331.21,12886.21 ; U2.1 23225.94,15159.06 22935,15450 ; R5.1 24220,12675 24095,12800 24009,12800 U5.10 23331.21,12886.21 ; 20055,14720 20055,13670 SW1.6 ; 21635,14990.98 21635,15140 ; 21635,15140 21851.28,15356.28 22851.28,15356.28 22935,15440 22935,15450
  Bottom Layer w30: PULSE.2@20567,12315 20568.94,12315 PULSE.2B@20576.84,12322.9 ; C16.1@24059.39,13495.61 C16.1
  Bottom Layer w40: P3.1 22935,14690 ; R4.2 22935,13200 22935,14690 ; LCD1602.2 22935,14690
  Bottom Layer w50: R1.1 PULSE.2@20567,12315 ; PULSE.2@20566.73,12312.8 PULSE.2@20568.94,12315 ; PULSE.2B@20576.84,12322.9 20633.26,12379.32 20716.74,12379.32 20783.27,12312.8 20907.8,12312.8 R8.1 ; C7.2 21030,14640 U4.16 ; U2.14 23331.21,12759.59 C15.1 ; C17.1 23627,13290.61 U5.10 ; C16.1@24059.39,13495.61 24081.18,13473.82 U3.12
VCC_3.3V: C13.1 C14.1 NRF24L01.2 U6.2 U6.4 | length 1297.9
  Top Layer w30: U6.4@20847.25,15356.28 U6.4
  Top Layer w35: U6.2 U6.4
  Top Layer w50: NRF24L01.2 20147.5,15067.5 20294.11,15067.5 C14.1 ; C14.1@20325,15100 C14.1 ; U6.4 20700,15339.82 20683.54,15356.28 C13.1 20436.28,15356.28 20326.61,15246.61 C14.1
VCC_EXT: C1.1 C2.1 P1.2 P2.2 SW1.5 | length 1078
  Bottom Layer w50: SW1.5 20435,13330 20460,13355 C1.1 C2.1@20540,13235 ; P1.2 20360,12660 P2.2 20360,13125 20465,13230 C2.1
X1: C4.1 P4.19 U1.19 Y1.2 | length 640.8
  Top Layer w30: P4.19 21461.54,12596.54 U1.19
  Bottom Layer w30: C4.1 21186,12531 Y1.2 21379,12595 P4.19 P4.19@21444,12595
X2: C5.1 P4.18 U1.18 Y1.1 | length 613.2
  Top Layer w30: P4.18 21461.54,12696.54 U1.18
  Bottom Layer w30: C5.1 21186,12731 Y1.1 21424,12731 P4.18
pads on no net: J1.1 J1.4 J1.6 J1.7 J1.8 J1.9 J1.10 J1.11 K1.3 K1.4 K2.3 K2.4 K3.3 K3.4 K4.3 K4.4 P1.3 P2.3 PULSE. RESET.3 RESET.4 SW1.1 SW1.2 SW1.3 SW1.4 U3.1 U3.2 U3.3 U3.4 U4.12 U4.14 U5.1 U5.2 U5.3 U5.4 U5.5 U5.6 U7.5 U7.6 U7.7

## Polygon pours and split planes (outlines as drawn)
GND on Top Layer "Top Layer-No Net" (solid, remove dead copper, pour order 1002): 24350,15710 24355,15705 24355,15525 25445,15525 25445,15730 25440,15725 24350,15725 24350,15710
GND on Top Layer "Top Layer-No Net" (solid, remove dead copper, pour order 1001): 24355,12525 25445,12525 25445,11970 24350,11970
GND on Top Layer "Top Layer-No Net" (solid, remove dead copper, pour order 1000): 19945,15725 19945,11970 24375,11970 24375,12160 24375,15725
GND on Bottom Layer "Top Layer-No Net" (solid, remove dead copper, pour order 1005): 24350,15725 24350,15525 24565,15525 25445,15525 25445,15725
GND on Bottom Layer "Top Layer-No Net" (solid, remove dead copper, pour order 1004): 24355,12525 25445,12525 25445,11970 24350,11970
GND on Bottom Layer "Top Layer-No Net" (solid, remove dead copper, pour order 1003): 19945,15725 19945,11970 24375,11970 24375,12330 24375,15725

## Keep-outs
Keep-Out Layer:
  lines w10: 19945,11970 25450,11970 25450,15725 19945,15725 19945,11970

## Silkscreen, mask and mechanical layers (free items; w line width, h text height)
Top Overlay:
  drawing of 3041 lines, arcs and shapes, not listed
  text "燕山大学电子与通信工程系" at 23100,15595 h120
  text "生产实习专用电路板" at 24370,15595 h120
  text "液晶和无线模块均向外！" at 20335,15590 h100
  text "LCD1602" at 21425,15470 h60
  text "16-------->1" at 21860,15465 h80
  text "LYW Designed  2011.4" at 21740,12060 h50
Mechanical 1:
  lines w10: 19945,11970 19945,15725 25450,15725 25450,11970 19945,11970

## Text inside footprints (layer, text, board x,y; h text height)
J1: Top Overlay "6" at 20130.87,14001.73 h59.06 r90; Top Overlay "9" at 20130.87,14328.9 h59.06 r90; Top Overlay "5" at 20500.94,14383.43 h59.06 r90; Top Overlay "1" at 20500.94,13957.05 h59.06 r90
LS1: Top Overlay "+" at 24785,12450 h50 r180
NRF24L01: Top Overlay "2" at 20100,15035 h50 r90; Top Overlay "1" at 20200,15055 h50 r90; Top Overlay "7" at 20200,15495 h50 r90; Top Overlay "8" at 20100,15495 h50 r90
Q1: Top Overlay "C" at 24478.05,12296 h40 r90; Top Overlay "B" at 24514.05,12248 h40 r90; Top Overlay "E" at 24478.05,12195 h40 r90
U2: Top Overlay "7" at 24014,12620 h40 r270; Top Overlay "MP3 SD卡模块" at 22465,15125 h150; Top Overlay "DO" at 23915.52,15078.06 h40 r270; Top Overlay "CLK" at 23812.52,15087.06 h40 r270; Top Overlay "DI" at 23712,15083 h40 r270; Top Overlay "CS" at 23613,15087 h40 r270; Top Overlay "GND" at 23509,15087 h40 r270; Top Overlay "+5V" at 23408,15092 h40 r270; Top Overlay "1" at 23405.52,15242.06 h40 r270; Top Overlay "+5V" at 23309,12880 h40 r270; Top Overlay "GND" at 23410.52,12859.06 h40 r270; Top Overlay "XREST" at 23504.52,12919.06 h40 r270; Top Overlay "DREQ" at 23602.52,12893.06 h40 r270; Top Overlay "XDCS" at 23683,12898 h40 r270; Top Overlay "XCS" at 23792,12864 h40 r270; Top Overlay "MOSI" at 23915,12881 h40 r270; Top Overlay "CLK" at 24017,12864 h40 r270
U3: Top Overlay "1" at 23862,15223 h45 r270; Top Overlay "OUT" at 23458,13561 h40 r270; Top Overlay "RST" at 23554,13561 h45 r270; Top Overlay "IO" at 23659,13524 h45 r270; Top Overlay "CLK" at 23760,13567 h45 r270; Top Overlay "+5V" at 24055,13587 h45 r270; Top Overlay "GND" at 23860,13577 h45 r270; Top Overlay "GND" at 23960,13577 h45 r270; Top Overlay "DQ" at 23361,13535 h40 r270; Top Overlay "电子钟模块" at 23355,15430 h150
U5: Top Overlay "1" at 23913.52,14742.06 h40 r270; Top Overlay "NSS" at 23908,13085 h40 r270; Top Overlay "GND" at 24008.52,13091.06 h40 r270; Top Overlay "GND" at 23805,13090 h40 r270; Top Overlay "+5V" at 23603,13089 h40 r270; Top Overlay "MOSI" at 23500,13079 h40 r270; Top Overlay "MISO" at 23407,13080 h40 r270; Top Overlay "SCK" at 23304,13081 h40 r270; Top Overlay "RST" at 23705,13089 h40 r270; Top Overlay "RFID模块" at 23280,14725 h150